# Altium PCB MEOWPOWER.PcbDoc (continued)
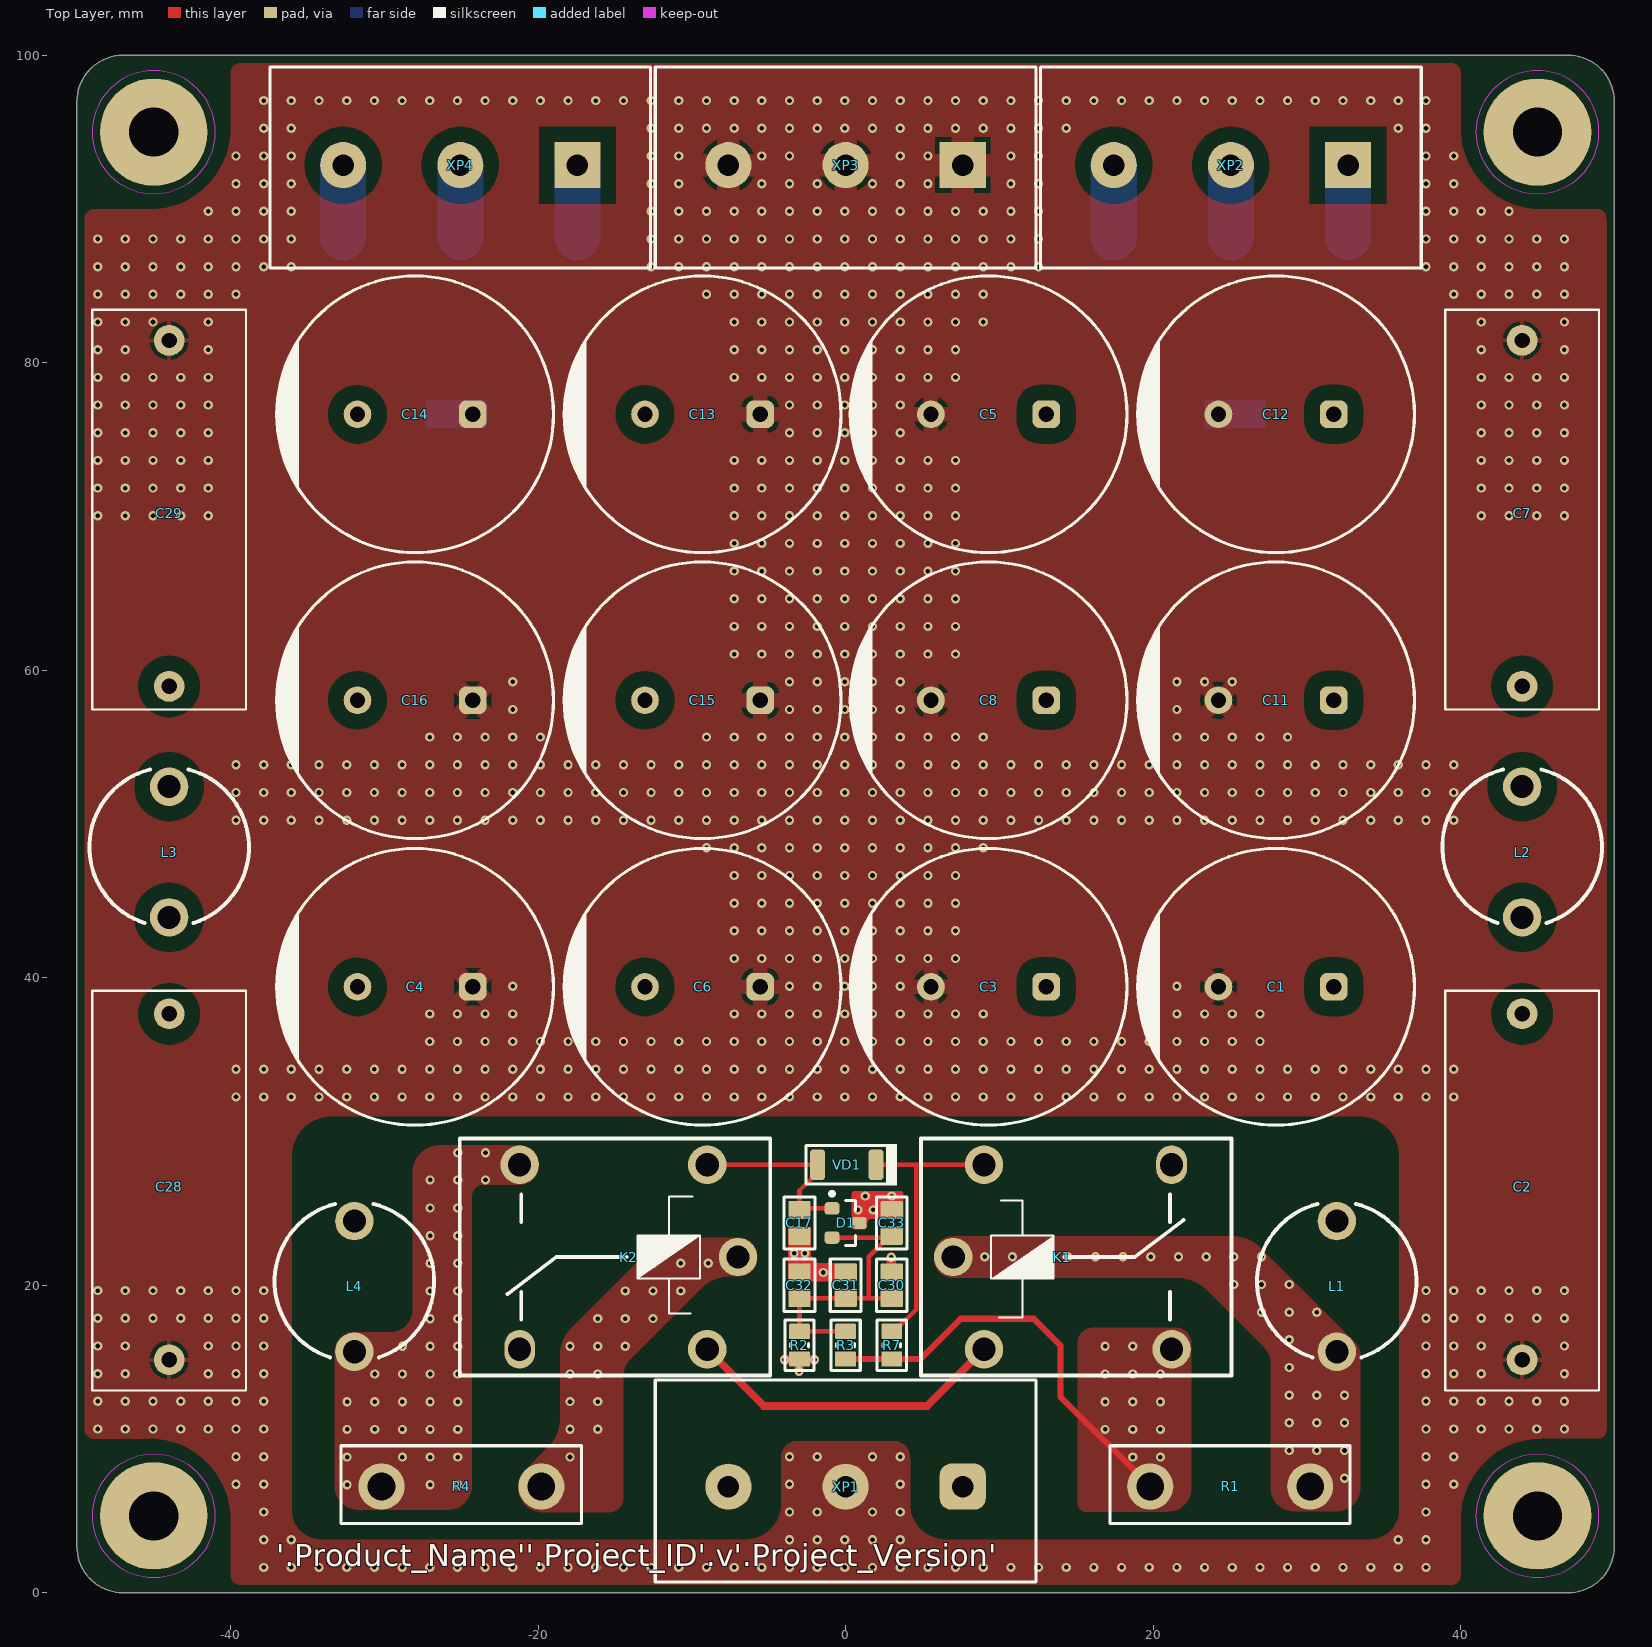
[diagram p0: Top Layer view]
## Nets (pads, with @x,y where several pads share a name; then routed paths per layer and width w, separated by ;. In a path a pad name is that pad's centre, name@x,y a point inside that pad or via, vN(x,y) a via of type N, cw(c..) or ccw(c..) an arc to the next point about the centre after c; other vN are vias at no path point)
+V: K1.4 L1.1 R1.2
  other v1: 32.45,7.45 28.85,9.25 30.65,9.25 32.45,9.25 28.85,11.05 30.65,11.05 32.45,11.05 28.85,12.85 30.65,12.85 32.45,12.85 28.85,14.65 28.85,16.45 27.05,18.25 28.85,18.25 30.65,18.25 25.25,20.05 27.05,20.05 28.85,20.05 9.05,21.85 10.85,21.85 12.65,21.85 14.45,21.85 16.25,21.85 18.05,21.85 19.85,21.85 21.65,21.85 23.45,21.85 25.25,21.85 27.05,21.85
+VIN: F7.2 K1.3 R1.1 R3.2 R7.2 | length 27.4
  Top Layer w0.4: R3.2 R7.2 4.849,15.199 7.475,17.825 12.25,17.825 13.975,16.1 13.975,12.748 R1.1
  other v1: 18.675,8.825 20.475,8.825 16.875,10.625 18.675,10.625 20.475,10.625 16.875,12.425 18.675,12.425 20.475,12.425 16.875,14.225 18.675,14.225 20.475,14.225 16.875,16.025 18.675,16.025
+VOUT: C5.1 C7.2 C8.1 C11.1 C12.1 C18.1 C19.1 C20.1 C21.1 F1.1 F2.1 F3.1 L2.2
-V: K2.3 L4.1 R4.1
  other v1: -32.425,7.025 -27.025,7.025 -25.225,7.025 -32.425,8.825 -28.825,8.825 -27.025,8.825 -25.225,8.825 -32.425,10.625 -30.625,10.625 -28.825,10.625 -27.025,10.625 -25.225,10.625 -32.425,12.425 -30.625,12.425 -28.825,12.425 -27.025,12.425 -25.225,12.425 -30.625,14.225 -28.825,14.225 -27.025,14.225 -25.225,14.225 -28.825,16.025 -27.025,16.025 -25.225,16.025 -27.025,17.825 -25.225,17.825 -27.025,19.625 -25.225,19.625 -27.025,21.425 -25.225,21.425 -27.025,23.225 -25.225,23.225 -27.025,25.025 -25.225,25.025 -27.025,26.85 -25.225,26.85 -23.425,26.85 -25.225,28.625 -23.425,28.625
-VIN: F8.1 K2.4 R4.2
  other v1: -17.928,8.83 -17.928,10.63 -16.128,10.63 -17.928,12.43 -16.128,12.43 -17.928,14.23 -16.128,14.23 -17.928,16.03 -16.128,16.03 -14.328,16.03 -16.128,17.83 -14.328,17.83 -12.528,17.83 -14.328,19.63 -12.528,19.63 -10.728,19.63 -12.528,21.43 -10.728,21.43 -8.928,21.43
-VOUT: C13.2 C14.2 C15.2 C16.2 C24.2 C25.2 C26.2 C27.2 C29.2 F4.1 F5.1 F6.1 L3.2
NetC1_1: C1.1 C2.2 C3.1 C9.2 C10.2 L1.2 L2.1
NetC4_2: C4.2 C6.2 C22.1 C23.1 C28.2 L3.1 L4.2
NetC17_2: C17.2 D1.1 K2.2 VD1.2 | length 12.8
  Top Layer w0.3: K2.2 -1.825,27.835 -1.825,27.335 -3,26.16 C17.2 ; C17.2@-3,25 -0.86,25 D1.1@-0.835,25.025
NetC30_2: C30.2 C31.2 C32.2 C33.2 D1.2 R2.2 R3.1 | length 19.8
  Top Layer w0.3: D1.2 C33.2@2.75,23.099 ; R3.1 R2.2 C32.2 C31.2 1.5,19.15 ; C33.2@2.425,22.773 1.5,21.848 1.5,19.15 ; C33.2@2.425,22.774 C33.2@2.75,23.099 ; C33.2@2.764,23.099 C33.2@2.75,23.099 ; C30.2 1.5,19.15 ; C33.2@3.102,23.451 C33.2@2.75,23.099
NetF1_2: F1.2 XP2.1 | length 4.7
  Bottom Layer w3: F1.2@32.68,88.159 XP2.1
NetF2_2: F2.2 XP2.2 | length 4.7
  Bottom Layer w3: F2.2@25.06,88.159 XP2.2
NetF3_2: F3.2 XP2.3 | length 4.7
  Bottom Layer w3: F3.2@17.44,88.159 XP2.3
NetF4_2: F4.2 XP4.1 | length 4.7
  Bottom Layer w3: F4.2@-17.44,88.159 XP4.1
NetF5_2: F5.2 XP4.2 | length 4.7
  Bottom Layer w3: F5.2@-25.06,88.159 XP4.2
NetF6_2: F6.2 XP4.3 | length 4.7
  Bottom Layer w3: F6.2@-32.68,88.159 XP4.3
NetF7_1: F7.1 XP1.1
NetF8_2: F8.2 XP1.3 | length 0
  Bottom Layer w1: XP1.3@-7.626,6.906 XP1.3
NetK1_1: K1.1 R7.1 VD1.1 | length 18.8
  Top Layer w0.3: VD1.1@2.225,27.835 4.55,27.835 ; R7.1 3.175,16.999 4.6,18.424 4.6,27.785 4.55,27.835 ; K1.1@9,27.835 4.55,27.835
  Top Layer w0.5: VD1.1@1.975,28.125 1.975,28.085 VD1.1@2.225,27.835
NetK1_2: K1.2 K2.1 | length 21.1
  Top Layer w0.5: K2.1 -5.315,12.15 5.315,12.15 K1.2
PGND: C1.2 C2.1 C3.2 C4.1 C5.2 C6.1 C7.1 C8.2 C9.1 C10.1 C11.2 C12.2 C13.1 C14.1 C15.1 C16.1 C17.1 C18.2 C19.2 C20.2 C21.2 C22.2 C23.2 C24.1 C25.1 C26.1 C27.1 C28.1 C29.1 C30.1 C31.1 C32.1 C33.1 D1.3 R2.1 XP1.2 XP3.1 XP3.2 XP3.3 | length 3.6
  Top Layer w0.6: v1(-3.975,15.15) -3.049,15.15 R2.1@-3.026,15.173 ; R2.1@-3.051,15.112 -3.025,15.086 v1(-3.025,14.4) ; R2.1 -2.951,15.15 v1(-2.025,15.15) ; C30.1@2.974,20.876 v1(2.974,21.827)
  other v1: -37.85,1.65 -36.05,1.65 -34.25,1.65 -32.45,1.65 -30.65,1.65 -28.85,1.65 -27.05,1.65 -25.25,1.65 -23.45,1.65 -21.65,1.65 -19.85,1.65 -18.05,1.65 -16.25,1.65 -14.45,1.65 -12.65,1.65 -10.85,1.65 -9.05,1.65 -7.25,1.65 -5.45,1.65 -3.65,1.65 -1.85,1.65 -0.05,1.65 1.75,1.65 3.55,1.65 5.35,1.65 7.15,1.65 8.95,1.65 10.75,1.65 12.55,1.65 14.35,1.65 16.15,1.65 17.95,1.65 19.75,1.65 21.55,1.65 23.35,1.65 25.15,1.65 26.95,1.65 28.75,1.65 30.55,1.65 32.35,1.65 34.15,1.65 35.95,1.65 37.75,1.65 -37.85,3.45 -36.05,3.45 -3.65,3.45 -1.85,3.45 -0.05,3.45 1.75,3.45 3.55,3.45 35.95,3.45 37.75,3.45 -37.85,5.25 -3.65,5.25 -1.85,5.25 1.75,5.25 3.55,5.25 37.75,5.25 -39.65,7.05 -37.85,7.05 -3.65,7.05 3.55,7.05 37.75,7.05 39.55,7.05 -39.65,8.85 -37.85,8.85 -3.65,8.85 -1.85,8.85 1.75,8.85 3.55,8.85 37.75,8.85 39.55,8.85 -48.65,10.65 -46.85,10.65 -45.05,10.65 -43.25,10.65 -41.45,10.65 -39.65,10.65 -37.85,10.65 37.75,10.65 39.55,10.65 41.35,10.65 43.15,10.65 44.95,10.65 46.75,10.65 -48.65,12.45 -46.85,12.45 -45.05,12.45 -43.25,12.45 -41.45,12.45 -39.65,12.45 -37.85,12.45 37.75,12.45 39.55,12.45 41.35,12.45 43.15,12.45 44.95,12.45 46.75,12.45 -48.65,14.25 -46.85,14.25 -41.45,14.25 -39.65,14.25 -37.85,14.25 37.75,14.25 39.55,14.25 41.35,14.25 46.75,14.25 -48.65,16.05 -46.85,16.05 -41.45,16.05 -39.65,16.05 -37.85,16.05 37.75,16.05 39.55,16.05 41.35,16.05 46.75,16.05 -48.65,17.85 -46.85,17.85 -45.05,17.85 -43.25,17.85 -41.45,17.85 -39.65,17.85 -37.85,17.85 37.75,17.85 39.55,17.85 41.35,17.85 43.15,17.85 44.95,17.85 46.75,17.85 -48.65,19.65 -46.85,19.65 -45.05,19.65 -43.25,19.65 -41.45,19.65 -39.65,19.65 -37.85,19.65 37.75,19.65 39.55,19.65 41.35,19.65 43.15,19.65 44.95,19.65 46.75,19.65 -1.45,20.825 -3.35,22.075 -2.65,22.075 0.8,24.9 1.8,24.9 1.275,25.8 3,25.8 -39.65,32.25 -37.85,32.25 -36.05,32.25 -34.25,32.25 -32.45,32.25 -30.65,32.25 -28.85,32.25 -27.05,32.25 -25.25,32.25 -23.45,32.25 -21.65,32.25 -19.85,32.25 -18.05,32.25 -16.25,32.25 -14.45,32.25 -12.65,32.25 -10.85,32.25 -9.05,32.25 -7.25,32.25 -5.45,32.25 -3.65,32.25 -1.85,32.25 -0.05,32.25 1.75,32.25 3.55,32.25 5.35,32.25 7.15,32.25 8.95,32.25 10.75,32.25 12.55,32.25 14.35,32.25 16.15,32.25 17.95,32.25 19.75,32.25 21.55,32.25 23.35,32.25 25.15,32.25 26.95,32.25 28.75,32.25 30.55,32.25 32.35,32.25 34.15,32.25 35.95,32.25 37.75,32.25 39.55,32.25 -39.65,34.05 -37.85,34.05 -36.05,34.05 -34.25,34.05 -32.45,34.05 -30.65,34.05 -28.85,34.05 -27.05,34.05 -25.25,34.05 -23.45,34.05 -21.65,34.05 -19.85,34.05 -18.05,34.05 -16.25,34.05 -14.45,34.05 -12.65,34.05 -10.85,34.05 -9.05,34.05 -7.25,34.05 -5.45,34.05 -3.65,34.05 -1.85,34.05 -0.05,34.05 1.75,34.05 3.55,34.05 5.35,34.05 7.15,34.05 8.95,34.05 10.75,34.05 12.55,34.05 14.35,34.05 16.15,34.05 17.95,34.05 19.75,34.05 21.55,34.05 23.35,34.05 25.15,34.05 26.95,34.05 28.75,34.05 30.55,34.05 32.35,34.05 34.15,34.05 35.95,34.05 37.75,34.05 39.55,34.05 -27.05,35.85 -25.25,35.85 -23.45,35.85 -21.65,35.85 -19.85,35.85 -18.05,35.85 -16.25,35.85 -14.45,35.85 -12.65,35.85 -10.85,35.85 -9.05,35.85 -7.25,35.85 -5.45,35.85 -3.65,35.85 -1.85,35.85 -0.05,35.85 1.75,35.85 3.55,35.85 5.35,35.85 7.15,35.85 8.95,35.85 10.75,35.85 12.55,35.85 14.35,35.85 16.15,35.85 17.95,35.85 19.75,35.85 21.55,35.85 23.35,35.85 25.15,35.85 26.95,35.85 -27.05,37.65 -25.25,37.65 -23.45,37.65 -21.65,37.65 -7.25,37.65 -5.45,37.65 -3.65,37.65 -1.85,37.65 -0.05,37.65 1.75,37.65 3.55,37.65 5.35,37.65 7.15,37.65 8.95,37.65 21.55,37.65 23.35,37.65 25.15,37.65 26.95,37.65 -21.65,39.45 -3.65,39.45 -1.85,39.45 -0.05,39.45 1.75,39.45 3.55,39.45 21.55,39.45 -7.25,41.25 -5.45,41.25 -3.65,41.25 -1.85,41.25 -0.05,41.25 1.75,41.25 3.55,41.25 5.35,41.25 7.15,41.25 -7.25,43.05 -5.45,43.05 -3.65,43.05 -1.85,43.05 -0.05,43.05 1.75,43.05 3.55,43.05 5.35,43.05 7.15,43.05 -7.25,44.85 -5.45,44.85 -3.65,44.85 -1.85,44.85 -0.05,44.85 1.75,44.85 3.55,44.85 5.35,44.85 7.15,44.85 -7.25,46.65 -5.45,46.65 -3.65,46.65 -1.85,46.65 -0.05,46.65 1.75,46.65 3.55,46.65 5.35,46.65 7.15,46.65 -9.05,48.45 -7.25,48.45 -5.45,48.45 -3.65,48.45 -1.85,48.45 -0.05,48.45 1.75,48.45 3.55,48.45 5.35,48.45 7.15,48.45 8.95,48.45 -39.65,50.25 -37.85,50.25 -36.05,50.25 -34.25,50.25 -32.45,50.25 -30.65,50.25 -28.85,50.25 -27.05,50.25 -25.25,50.25 -23.45,50.25 -21.65,50.25 -19.85,50.25 -18.05,50.25 -16.25,50.25 -14.45,50.25 -12.65,50.25 -10.85,50.25 -9.05,50.25 -7.25,50.25 -5.45,50.25 -3.65,50.25 -1.85,50.25 -0.05,50.25 1.75,50.25 3.55,50.25 5.35,50.25 7.15,50.25 8.95,50.25 10.75,50.25 12.55,50.25 14.35,50.25 16.15,50.25 17.95,50.25 19.75,50.25 21.55,50.25 23.35,50.25 25.15,50.25 26.95,50.25 28.75,50.25 30.55,50.25 32.35,50.25 34.15,50.25 35.95,50.25 37.75,50.25 39.55,50.25 -39.65,52.05 -37.85,52.05 -36.05,52.05 -34.25,52.05 -32.45,52.05 -30.65,52.05 -28.85,52.05 -27.05,52.05 -25.25,52.05 -23.45,52.05 -21.65,52.05 -19.85,52.05 -18.05,52.05 -16.25,52.05 -14.45,52.05 -12.65,52.05 -10.85,52.05 -9.05,52.05 -7.25,52.05 -5.45,52.05 -3.65,52.05 -1.85,52.05 -0.05,52.05 1.75,52.05 3.55,52.05 5.35,52.05 7.15,52.05 8.95,52.05 10.75,52.05 12.55,52.05 14.35,52.05 16.15,52.05 17.95,52.05 19.75,52.05 21.55,52.05 23.35,52.05 25.15,52.05 26.95,52.05 28.75,52.05 30.55,52.05 32.35,52.05 34.15,52.05 35.95,52.05 37.75,52.05 39.55,52.05 -39.65,53.85 -37.85,53.85 -36.05,53.85 -34.25,53.85 -32.45,53.85 -30.65,53.85 -28.85,53.85 -27.05,53.85 -25.25,53.85 -23.45,53.85 -21.65,53.85 -19.85,53.85 -18.05,53.85 -16.25,53.85 -14.45,53.85 -12.65,53.85 -10.85,53.85 -9.05,53.85 -7.25,53.85 -5.45,53.85 -3.65,53.85 -1.85,53.85 -0.05,53.85 1.75,53.85 3.55,53.85 5.35,53.85 7.15,53.85 8.95,53.85 10.75,53.85 12.55,53.85 14.35,53.85 16.15,53.85 17.95,53.85 19.75,53.85 21.55,53.85 23.35,53.85 25.15,53.85 26.95,53.85 28.75,53.85 30.55,53.85 32.35,53.85 34.15,53.85 35.95,53.85 37.75,53.85 39.55,53.85 -27.05,55.65 -25.25,55.65 -23.45,55.65 -21.65,55.65 -19.85,55.65 -9.05,55.65 -7.25,55.65 -5.45,55.65 -3.65,55.65 -1.85,55.65 -0.05,55.65 1.75,55.65 3.55,55.65 5.35,55.65 7.15,55.65 8.95,55.65 19.75,55.65 21.55,55.65 23.35,55.65 25.15,55.65 26.95,55.65 28.75,55.65 -21.65,57.45 -3.65,57.45 -1.85,57.45 -0.05,57.45 1.75,57.45 3.55,57.45 21.55,57.45 -21.65,59.25 -3.65,59.25 -1.85,59.25 -0.05,59.25 1.75,59.25 3.55,59.25 21.55,59.25 23.35,59.25 25.15,59.25 -7.25,61.05 -5.45,61.05 -3.65,61.05 -1.85,61.05 -0.05,61.05 1.75,61.05 3.55,61.05 5.35,61.05 7.15,61.05 -7.25,62.85 -5.45,62.85 -3.65,62.85 -1.85,62.85 -0.05,62.85 1.75,62.85 3.55,62.85 5.35,62.85 7.15,62.85 -7.25,64.65 -5.45,64.65 -3.65,64.65 -1.85,64.65 -0.05,64.65 1.75,64.65 3.55,64.65 5.35,64.65 7.15,64.65 -7.25,66.45 -5.45,66.45 -3.65,66.45 -1.85,66.45 -0.05,66.45 1.75,66.45 3.55,66.45 5.35,66.45 7.15,66.45 -7.25,68.25 -5.45,68.25 -3.65,68.25 -1.85,68.25 -0.05,68.25 1.75,68.25 3.55,68.25 5.35,68.25 7.15,68.25 -48.65,70.05 -46.85,70.05 -45.05,70.05 -43.25,70.05 -41.45,70.05 -7.25,70.05 -5.45,70.05 -3.65,70.05 -1.85,70.05 -0.05,70.05 1.75,70.05 3.55,70.05 5.35,70.05 7.15,70.05 41.35,70.05 43.15,70.05 44.95,70.05 46.75,70.05 -48.65,71.85 -46.85,71.85 -45.05,71.85 -43.25,71.85 -41.45,71.85 -7.25,71.85 -5.45,71.85 -3.65,71.85 -1.85,71.85 -0.05,71.85 1.75,71.85 3.55,71.85 5.35,71.85 7.15,71.85 41.35,71.85 43.15,71.85 44.95,71.85 46.75,71.85 -48.65,73.65 -46.85,73.65 -45.05,73.65 -43.25,73.65 -41.45,73.65 -7.25,73.65 -5.45,73.65 -3.65,73.65 -1.85,73.65 -0.05,73.65 1.75,73.65 3.55,73.65 5.35,73.65 7.15,73.65 41.35,73.65 43.15,73.65 44.95,73.65 46.75,73.65 -48.65,75.45 -46.85,75.45 -45.05,75.45 -43.25,75.45 -41.45,75.45 -3.65,75.45 -1.85,75.45 -0.05,75.45 1.75,75.45 3.55,75.45 41.35,75.45 43.15,75.45 44.95,75.45 46.75,75.45 -48.65,77.25 -46.85,77.25 -45.05,77.25 -43.25,77.25 -41.45,77.25 -3.65,77.25 -1.85,77.25 -0.05,77.25 1.75,77.25 3.55,77.25 41.35,77.25 43.15,77.25 44.95,77.25 46.75,77.25 -48.65,79.05 -46.85,79.05 -45.05,79.05 -43.25,79.05 -41.45,79.05 -7.25,79.05 -5.45,79.05 -3.65,79.05 -1.85,79.05 -0.05,79.05 1.75,79.05 3.55,79.05 5.35,79.05 7.15,79.05 41.35,79.05 43.15,79.05 44.95,79.05 46.75,79.05 -48.65,80.85 -46.85,80.85 -41.45,80.85 -7.25,80.85 -5.45,80.85 -3.65,80.85 -1.85,80.85 -0.05,80.85 1.75,80.85 3.55,80.85 5.35,80.85 7.15,80.85 41.35,80.85 46.75,80.85 -48.65,82.65 -46.85,82.65 -45.05,82.65 -41.45,82.65 -7.25,82.65 -5.45,82.65 -3.65,82.65 -1.85,82.65 -0.05,82.65 1.75,82.65 3.55,82.65 5.35,82.65 7.15,82.65 8.95,82.65 41.35,82.65 46.75,82.65 -48.65,84.45 -46.85,84.45 -45.05,84.45 -43.25,84.45 -41.45,84.45 -39.65,84.45 -9.05,84.45 -7.25,84.45 -5.45,84.45 -3.65,84.45 -1.85,84.45 -0.05,84.45 1.75,84.45 3.55,84.45 5.35,84.45 7.15,84.45 8.95,84.45 39.55,84.45 41.35,84.45 43.15,84.45 44.95,84.45 46.75,84.45 -48.65,86.25 -46.85,86.25 -45.05,86.25 -43.25,86.25 -41.45,86.25 -39.65,86.25 -37.85,86.25 -36.05,86.25 -12.65,86.25 -10.85,86.25 -9.05,86.25 -7.25,86.25 -5.45,86.25 -3.65,86.25 -1.85,86.25 -0.05,86.25 1.75,86.25 3.55,86.25 5.35,86.25 7.15,86.25 8.95,86.25 10.75,86.25 12.55,86.25 37.75,86.25 39.55,86.25 41.35,86.25 43.15,86.25 44.95,86.25 46.75,86.25 -48.65,88.05 -46.85,88.05 -45.05,88.05 -43.25,88.05 -41.45,88.05 -39.65,88.05 -37.85,88.05 -36.05,88.05 -12.65,88.05 -10.85,88.05 -9.05,88.05 -7.25,88.05 -5.45,88.05 -3.65,88.05 -1.85,88.05 -0.05,88.05 1.75,88.05 3.55,88.05 5.35,88.05 7.15,88.05 8.95,88.05 10.75,88.05 12.55,88.05 37.75,88.05 39.55,88.05 41.35,88.05 43.15,88.05 44.95,88.05 46.75,88.05 -41.45,89.85 -39.65,89.85 -37.85,89.85 -36.05,89.85 -12.65,89.85 -10.85,89.85 -9.05,89.85 -7.25,89.85 -5.45,89.85 -3.65,89.85 -1.85,89.85 -0.05,89.85 1.75,89.85 3.55,89.85 5.35,89.85 7.15,89.85 8.95,89.85 10.75,89.85 12.55,89.85 37.75,89.85 39.55,89.85 41.35,89.85 43.15,89.85 -39.65,91.65 -37.85,91.65 -36.05,91.65 -12.65,91.65 -10.85,91.65 -5.45,91.65 -3.65,91.65 -1.85,91.65 1.75,91.65 3.55,91.65 5.35,91.65 10.75,91.65 12.55,91.65 37.75,91.65 39.55,91.65 -39.65,93.45 -37.85,93.45 -36.05,93.45 -12.65,93.45 -10.85,93.45 -5.45,93.45 -3.65,93.45 3.55,93.45 5.35,93.45 10.75,93.45 12.55,93.45 37.75,93.45 39.55,93.45 -37.85,95.25 -36.05,95.25 -12.65,95.25 -10.85,95.25 -9.05,95.25 -7.25,95.25 -5.45,95.25 -3.65,95.25 -1.85,95.25 -0.05,95.25 1.75,95.25 3.55,95.25 5.35,95.25 7.15,95.25 8.95,95.25 10.75,95.25 12.55,95.25 14.35,95.25 35.95,95.25 37.75,95.25 -37.85,97.05 -36.05,97.05 -34.25,97.05 -32.45,97.05 -30.65,97.05 -28.85,97.05 -27.05,97.05 -25.25,97.05 -23.45,97.05 -21.65,97.05 -19.85,97.05 -18.05,97.05 -16.25,97.05 -14.45,97.05 -12.65,97.05 -10.85,97.05 -9.05,97.05 -7.25,97.05 -5.45,97.05 -3.65,97.05 -1.85,97.05 -0.05,97.05 1.75,97.05 3.55,97.05 5.35,97.05 7.15,97.05 8.95,97.05 10.75,97.05 12.55,97.05 14.35,97.05 16.15,97.05 17.95,97.05 19.75,97.05 21.55,97.05 23.35,97.05 25.15,97.05 26.95,97.05 28.75,97.05 30.55,97.05 32.35,97.05 34.15,97.05 35.95,97.05 37.75,97.05
pads on no net: K1.5 K2.5

## Polygon pours and split planes (outlines as drawn)
NetF7_1 on Bottom Layer "NONET_L-01_P-001" (solid, remove dead copper, pour order 55): 12.027,5.275 ccw(c12.027,5.75) 12.502,5.75 12.502,8.125 ccw(c12.027,8.125) 12.027,8.6 6.727,8.6 ccw(c6.727,8) 6.127,8 6.127,5.75 ccw(c6.602,5.75) 6.602,5.275
-V on Bottom Layer "NONET_L-01_P-001" (solid, remove dead copper, pour order 54): -31.7,5.4 cw(c-31.7,6.925) -33.225,6.925 -33.225,15.7 cw(c-31.975,15.7) -31.975,16.95 -29.6,16.95 ccw(c-29.6,18.4) -28.15,18.4 -28.15,27.35 cw(c-26.4,27.35) -26.4,29.1 -21.15,29.1 cw(c-21.15,27.925) -19.975,27.925 -19.975,27.725 cw(c-21.15,27.725) -21.15,26.55 -23.525,26.55 ccw(c-23.525,25.75) -24.325,25.75 -24.325,6.925 cw(c-25.85,6.925) -25.85,5.4 -29.75,5.4
PGND on Bottom Layer "NONET_L-01_P-001" (solid, remove dead copper, pour order 47): -50,100 -50,-0.025 -35.5,-0.025 -35.5,0.3 -4.775,0.3 4.8,0 35.958,0 50,0 50,100
-VIN on Bottom Layer "NONET_L-01_P-001" (solid, remove dead copper, pour order 53): -14.475,6.125 -14.475,14.124 cw(c-13.024,14.124) -14.05,15.15 -9.369,19.831 cw(c-7.573,18.035) -7.573,20.575 -6.95,20.575 ccw(c-6.95,21.775) -5.75,21.775 -5.75,21.85 ccw(c-7,21.85) -7,23.1 -10.739,23.1 ccw(c-10.739,20.176) -12.807,22.243 -17.806,17.244 ccw(c-16.01,15.448) -18.55,15.448 -18.55,11.4 cw(c-21.124,11.341) -19.263,9.562 -20.875,7.95 ccw(c-19.868,6.967) -21.275,6.95 -21.275,6.8 ccw(c-19.7,6.8) -19.7,5.225 -15.375,5.225 ccw(c-15.375,6.125)
+VIN on Bottom Layer "NONET_L-01_P-001" (solid, remove dead copper, pour order 51): 22.475,6.775 cw(c20.975,6.775) 20.975,5.275 15.625,5.275 cw(c15.625,5.8) 15.1,5.8 15.1,8.15 15.1,16.25 cw(c16.075,16.25) 16.075,17.225 21.5,17.225 cw(c21.5,16.25) 22.475,16.25
+V on Bottom Layer "NONET_L-01_P-001" (solid, remove dead copper, pour order 52): 7,23.2 25.148,23.2 cw(c25.148,20.66) 26.944,22.456 33.174,16.226 cw(c32.449,15.5) 33.475,15.5 33.475,6.825 cw(c31.95,6.825) 31.95,5.3 29.175,5.3 cw(c29.175,6.825) 27.65,6.825 27.65,14.959 ccw(c26.285,14.959) 27.25,15.925 23.444,19.731 ccw(c21.648,17.935) 21.648,20.475 7,20.475 cw(c7,21.725) 5.75,21.725 5.75,21.95 cw(c7,21.95)
NetF8_2 on Bottom Layer "NONET_L-01_P-001" (solid, remove dead copper, pour order 41): -12.025,5.275 cw(c-12.025,5.75) -12.5,5.75 -12.5,8.125 cw(c-12.025,8.125) -12.025,8.6 -7.325,8.6 cw(c-7.325,7.4) -6.125,7.4 -6.125,6.475 cw(c-7.325,6.475) -7.325,5.275
NetC1_1 on Bottom Layer "NONET_L-01_P-001" (solid, remove dead copper, pour order 35): 30.575,24.9 cw(c32.075,24.9) 32.075,26.4 39.35,26.4 ccw(c39.35,28.725) 41.675,28.725 41.675,35.2 ccw(c40.75,35.2) 40.75,36.125 29.385,36.125 cw(c29.385,36.91) 28.6,36.91 28.6,41.15 ccw(c27.725,41.15) 27.725,42.025 20.775,42.025 ccw(c20.775,40.875) 19.625,40.875 19.625,39.575 cw(c18.375,39.575) 18.375,38.325 10.325,38.325 cw(c10.325,38.65) 10,38.65 10,46.875 cw(c11.3,46.875) 11.3,48.175 44.775,48.175 cw(c44.775,46.8) 46.15,46.8 46.15,44 cw(c44.775,44) 44.775,42.625 37.05,42.625 ccw(c37.05,41.775) 36.2,41.775 ccw(c37.05,41.775) 37.05,40.925 44.725,40.925 cw(c44.725,39.5) 46.15,39.5 46.15,24.44 cw(c43.61,24.44) 43.61,21.9 32.125,21.9 cw(c32.125,23.45) 30.575,23.45
+VOUT on Bottom Layer "NONET_L-01_P-001" (solid, remove dead copper, pour order 34): 10,81.26 cw(c12.54,81.26) 12.54,83.8 36.75,83.8 cw(c36.75,81.65) 38.9,81.65 38.9,69.79 ccw(c41.44,69.79) 41.44,67.25 43.71,67.25 cw(c43.71,64.71) 46.25,64.71 46.25,52.55 cw(c44.75,52.55) 44.75,51.05 43.275,51.05 cw(c43.276,52.551) 41.775,52.55 41.775,55.65 ccw(c40.475,55.65) 40.475,56.95 28.975,56.95 cw(c29.025,57.35) 28.625,57.4 28.625,59.775 ccw(c27.713,59.775) 27.713,60.687 20.75,60.687 ccw(c20.75,59.538) 19.6,59.537 19.6,58.05 cw(c18.256,58.294) 18.5,56.95 10.275,56.95 cw(c10.389,57.339) 10,57.225
NetC4_2 on Bottom Layer "NONET_L-01_P-001" (solid, remove dead copper, pour order 32): -30.575,24.9 ccw(c-32.075,24.9) -32.075,26.4 -39.35,26.4 cw(c-39.35,28.725) -41.675,28.725 -41.675,35.2 cw(c-40.75,35.2) -40.75,36.125 -29.385,36.125 ccw(c-29.385,36.91) -28.6,36.91 -28.6,41.15 cw(c-27.725,41.15) -27.725,42.025 -20.775,42.025 cw(c-20.775,40.875) -19.625,40.875 -19.625,39.575 ccw(c-18.375,39.575) -18.375,38.325 -10.325,38.325 ccw(c-10.325,38.65) -10,38.65 -10,46.875 ccw(c-11.3,46.875) -11.3,48.175 -44.775,48.175 ccw(c-44.775,46.8) -46.15,46.8 -46.15,44 ccw(c-44.775,44) -44.775,42.625 -37.05,42.625 cw(c-37.05,41.775) -36.2,41.775 cw(c-37.05,41.775) -37.05,40.925 -44.725,40.925 ccw(c-44.725,39.5) -46.15,39.5 -46.15,24.44 ccw(c-43.61,24.44) -43.61,21.9 -32.125,21.9 ccw(c-32.125,23.45) -30.575,23.45
-VOUT on Bottom Layer "NONET_L-01_P-001" (solid, remove dead copper, pour order 24): -10,81.26 ccw(c-12.54,81.26) -12.54,83.8 -36.75,83.8 ccw(c-36.75,81.65) -38.9,81.65 -38.9,69.79 cw(c-41.44,69.79) -41.44,67.25 -43.71,67.25 ccw(c-43.71,64.71) -46.25,64.71 -46.25,52.55 ccw(c-44.75,52.55) -44.75,51.05 -43.275,51.05 ccw(c-43.276,52.551) -41.775,52.55 -41.775,55.65 cw(c-40.475,55.65) -40.475,56.95 -28.975,56.95 ccw(c-29.025,57.35) -28.625,57.4 -28.625,59.775 cw(c-27.713,59.775) -27.713,60.687 -20.75,60.687 cw(c-20.75,59.538) -19.6,59.537 -19.6,58.05 ccw(c-18.256,58.294) -18.5,56.95 -10.275,56.95 ccw(c-10.389,57.339) -10,57.225
PGND on Top Layer "NONET_L-01_P-001" (solid, remove dead copper, pour order 48): -50,100 -50,-0.025 33.3,-0.025 33.275,-0.025 33.3,0 50,0 50,100
-V on Top Layer "NONET_L-01_P-001" (solid, remove dead copper, pour order 33): -31.7,5.4 cw(c-31.7,6.925) -33.225,6.925 -33.225,15.7 cw(c-31.975,15.7) -31.975,16.95 -29.6,16.95 ccw(c-29.6,18.4) -28.15,18.4 -28.15,27.35 cw(c-26.4,27.35) -26.4,29.1 -21.15,29.1 cw(c-21.15,27.925) -19.975,27.925 -19.975,27.725 cw(c-21.15,27.725) -21.15,26.55 -23.525,26.55 ccw(c-23.525,25.75) -24.325,25.75 -24.325,6.925 cw(c-25.85,6.925) -25.85,5.4 -29.75,5.4
-VIN on Top Layer "NONET_L-01_P-001" (solid, remove dead copper, pour order 50): -14.475,6.125 -14.475,14.124 cw(c-13.024,14.124) -14.05,15.15 -9.369,19.831 cw(c-7.573,18.035) -7.573,20.575 -6.95,20.575 ccw(c-6.95,21.775) -5.75,21.775 -5.75,21.85 ccw(c-7,21.85) -7,23.1 -10.824,23.1 ccw(c-10.824,20.382) -12.746,22.304 -17.806,17.244 ccw(c-16.01,15.448) -18.55,15.448 -18.55,11.4 cw(c-21.124,11.341) -19.263,9.562 -20.875,7.95 ccw(c-19.868,6.967) -21.275,6.95 -21.275,6.8 ccw(c-19.7,6.8) -19.7,5.225 -15.375,5.225 ccw(c-15.375,6.125)
+VIN on Top Layer "NONET_L-01_P-001" (solid, remove dead copper, pour order 43): 22.475,6.775 cw(c20.975,6.775) 20.975,5.275 15.625,5.275 cw(c15.625,5.8) 15.1,5.8 15.1,8.15 15.1,16.25 cw(c16.075,16.25) 16.075,17.225 21.5,17.225 cw(c21.5,16.25) 22.475,16.25
+V on Top Layer "NONET_L-01_P-001" (solid, remove dead copper, pour order 44): 7,23.2 25.148,23.2 cw(c25.148,20.66) 26.944,22.456 33.174,16.226 cw(c32.449,15.5) 33.475,15.5 33.475,6.825 cw(c31.95,6.825) 31.95,5.3 29.175,5.3 cw(c29.175,6.825) 27.65,6.825 27.65,14.959 ccw(c26.285,14.959) 27.25,15.925 23.444,19.731 ccw(c21.648,17.935) 21.648,20.475 7,20.475 cw(c7,21.725) 5.75,21.725 5.75,21.95 cw(c7,21.95)

## Keep-outs
Top Layer:
  circle w0.01: c-45,5 r4
  circle w0.01: c45,5 r4
  circle w0.01: c-45,95 r4
  circle w0.01: c45,95 r4
Bottom Layer:
  circle w0.01: c-45,95 r4
  circle w0.01: c45,95 r4
  circle w0.01: c45,5 r4
  circle w0.01: c-45,5 r4

## Other copper
Top Layer:
  pour cut-out: -36,28.375 cw(c-33.425,28.375) -33.425,30.95 33.442,30.95 33.439,29.676 -34.1,29.5 -34.1,4.883 -5.25,4.883 -5.25,29.676 5.632,29.676 5.632,4.883 34.075,4.883 34.075,23.66 34.075,28.228 33.435,28.228 33.435,30.95 cw(c33.435,28.411) 35.975,28.41 35.975,5.375 cw(c34.075,5.375) 34.075,3.475 6.525,3.475 cw(c6.525,5.775) 4.225,5.775 4.225,8.775 ccw(c3.1,8.775) 3.1,9.9 -3.1,9.9 ccw(c-3.1,8.775) -4.225,8.775 -4.225,5.775 cw(c-6.525,5.775) -6.525,3.475 -34.1,3.475 cw(c-34.1,5.375) -36,5.375
  region net PGND: 1.7,24.325 ccw(c1.7,24) 1.375,24 1.375,23.85 cw(c1.175,23.85) 1.175,23.65 0.6,23.65 cw(c0.6,23.85) 0.4,23.85 0.4,25.925 cw(c0.6,25.925) 0.6,26.125 3.55,26.125 cw(c3.55,25.925) 3.75,25.925 3.75,24.425 cw(c3.65,24.425) 3.65,24.325
  region net PGND: -2.276,23.38 -2.276,22.051 ccw(c-1.65,22.051) -1.65,21.425 0.625,21.425 cw(c0.625,21.325) 0.725,21.325 0.725,20.375 cw(c0.625,20.375) 0.625,20.275 -3.65,20.275 cw(c-3.65,20.35) -3.725,20.35 -3.725,23.675 cw(c-3.625,23.675) -3.625,23.775 -2.375,23.775 cw(c-2.375,23.675) -2.275,23.675
  pour cut-out: -38.5,99.5 -39.4,99.5 ccw(c-39.4,98.9) -40,98.9 -40,95.25 cw(c-45.264,95.25) -45.264,89.986 -48.934,89.986 ccw(c-48.934,89.431) -49.489,89.431 -49.489,89.373 -50,89.373 -50,100.025 -38.475,100.025
  pour cut-out: 38.5,99.5 39.4,99.5 cw(c39.4,98.9) 40,98.9 40,95.25 ccw(c45.264,95.25) 45.264,89.986 48.934,89.986 cw(c48.934,89.431) 49.489,89.431 49.489,89.373 50,89.373 50,100.025 38.475,100.025
  pour cut-out: 38.5,0.5 39.4,0.5 ccw(c39.4,1.1) 40,1.1 40,4.75 cw(c45.264,4.75) 45.264,10.014 48.934,10.014 ccw(c48.934,10.569) 49.489,10.569 49.489,10.627 50,10.627 50,-0.025 38.475,-0.025
  pour cut-out: -38.5,0.5 -39.4,0.5 cw(c-39.4,1.1) -40,1.1 -40,4.75 ccw(c-45.264,4.75) -45.264,10.014 -48.934,10.014 cw(c-48.934,10.569) -49.489,10.569 -49.489,10.627 -50,10.627 -50,-0.025 -38.475,-0.025
Bottom Layer:
  pour cut-out: -32.65,95.412 -15.087,95.412 cw(c-15.087,94.975) -14.65,94.975 -14.65,85.825 ccw(c-13.625,85.825) -13.625,84.8 -13.625,84.7 cw(c-13.7,84.7) -13.7,84.625 -36.875,84.625 -36.875,84.8 -36.4,84.8 ccw(c-36.4,85.825) -35.375,85.825 -35.375,92.687 cw(c-32.651,92.687)
  pour cut-out: -38.5,0.5 -39.4,0.5 cw(c-39.4,1.1) -40,1.1 -40,4.75 ccw(c-45.264,4.75) -45.264,10.014 -48.934,10.014 cw(c-48.934,10.569) -49.489,10.569 -49.489,10.627 -50,10.627 -50,-0.025 -38.475,-0.025
  pour cut-out: 38.5,0.5 39.4,0.5 ccw(c39.4,1.1) 40,1.1 40,4.75 cw(c45.264,4.75) 45.264,10.014 48.934,10.014 ccw(c48.934,10.569) 49.489,10.569 49.489,10.627 50,10.627 50,-0.025 38.475,-0.025
  pour cut-out: 38.5,99.5 39.4,99.5 cw(c39.4,98.9) 40,98.9 40,95.25 ccw(c45.264,95.25) 45.264,89.986 48.934,89.986 cw(c48.934,89.431) 49.489,89.431 49.489,89.373 50,89.373 50,100.025 38.475,100.025
  pour cut-out: -38.5,99.5 -39.4,99.5 ccw(c-39.4,98.9) -40,98.9 -40,95.25 cw(c-45.264,95.25) -45.264,89.986 -48.934,89.986 ccw(c-48.934,89.431) -49.489,89.431 -49.489,89.373 -50,89.373 -50,100.025 -38.475,100.025
  pour cut-out: 4.275,21.8 4.275,29.525 cw(c5.725,29.525) 5.725,30.975 39.75,30.975 ccw(c39.75,31.875) 40.65,31.875 40.65,34.195 ccw(c39.725,34.195) 39.725,35.12 39.725,35.6 cw(c39.775,35.6) 39.775,35.65 41.175,35.6 41.175,28.125 5.725,28.125 5.725,4.889 34.025,4.889 34.025,21.538 41.725,21.538 41.725,20.9 37.95,20.9 ccw(c37.95,18.95) 36,18.95 36,5.45 cw(c34.025,5.45) 34.025,3.475 6.525,3.475 cw(c6.525,5.775) 4.225,5.775
  pour cut-out: 17.47,95.412 35.033,95.412 cw(c35.033,94.975) 35.47,94.975 35.47,85.825 ccw(c36.495,85.825) 36.495,84.8 36.495,84.7 cw(c36.42,84.7) 36.42,84.625 13.245,84.625 13.245,84.8 13.72,84.8 ccw(c13.72,85.825) 14.745,85.825 14.745,92.687 cw(c17.47,92.687)
  pour cut-out: -4.275,21.8 -4.275,29.525 ccw(c-5.725,29.525) -5.725,30.975 -39.75,30.975 cw(c-39.75,31.875) -40.65,31.875 -40.65,34.195 cw(c-39.725,34.195) -39.725,35.12 -39.725,35.6 ccw(c-39.775,35.6) -39.775,35.65 -41.175,35.6 -41.175,29.525 -5.725,29.525 -5.725,4.889 -34.025,4.889 -34.025,21.538 -41.725,21.538 -41.725,20.9 -37.95,20.9 cw(c-37.95,18.95) -36,18.95 -36,5.45 ccw(c-34.025,5.45) -34.025,3.475 -6.525,3.475 ccw(c-6.525,5.775) -4.225,5.775
  pour cut-out: -40.775,54.425 -40.775,49.65 ccw(c-40.3,49.65) -40.3,49.175 -40.3,48.925 -46.425,48.925 -46.425,21.647 -43.5,21.647 -43.5,20.895 -50,20.925 -50,68.266 -42.395,68.266 -42.395,67.775 -46.925,67.775 -46.925,50.95 -41.575,50.95 -41.575,54.425
  pour cut-out: 40.775,54.425 40.775,49.65 cw(c40.3,49.65) 40.3,49.175 40.3,48.925 46.425,48.925 46.425,21.647 43.5,21.647 43.5,20.895 50,20.925 50,68.266 42.395,68.266 42.395,67.775 46.925,67.775 46.925,50.95 41.575,50.95 41.575,54.425
  region net PGND: 23.45,75.746 cw(c23.45,75.846) 23.35,75.846 23.35,77.421 cw(c23.475,77.421) 23.475,77.546 27.2,77.546 cw(c27.2,77.446) 27.3,77.446 27.3,75.846 cw(c27.2,75.846) 27.2,75.746
  region net PGND: -23.45,75.746 ccw(c-23.45,75.846) -23.35,75.846 -23.35,77.421 ccw(c-23.475,77.421) -23.475,77.546 -27.2,77.546 ccw(c-27.2,77.446) -27.3,77.446 -27.3,75.846 ccw(c-27.2,75.846) -27.2,75.746

## Silkscreen, mask and mechanical layers (free items; w line width, h text height)
Top Overlay:
  text "'.Product_Name''.Project_ID'.v'.Project_Version'" at -37.02,1.221 h2.5
Bottom Overlay:
  drawing of 5 lines, arcs and shapes, not listed
  text "'.Product_Name''.Project_ID'.v'.Project_Version'" at -14.78,1.196 h2.5
Bottom Solder:
  lines w1: -24.475,58.175 -20.125,53.825 20.027,53.825 24.25,58.048 ; -24.164,39.318 -20.671,35.825 20.664,35.825 24.25,39.411 ; -5.55,58.048 5.55,58.048 ; -5.55,76.648 5.55,76.648 ; -0.364,39.411 -5.55,39.411 5.55,39.411
  lines w1.5: -32.68,87.965 -32.68,92.857 ; -31.925,15.7 -31.787,15.562 -27.688,15.562 -26.2,17.05 -26.2,26.325 -24.825,27.7 -21.4,27.7 ; -31.75,74.825 -31.75,76.648 ; -31.746,79.925 -29.034,79.925 -25.859,83.1 -24.235,83.1 -17.725,76.59 ; -25.06,87.71 -25.06,92.857 ; -24.343,39.318 -24.164,39.318 ; -17.552,76.648 -13.05,76.648 ; -17.475,62.473 -13.05,58.048 -13.15,58.048 ; -17.44,87.83 -17.44,92.857 ; -16.175,6.825 -16.175,15.975 -10.315,21.835 -6.81,21.835 ; -11.225,6.9 -7.62,6.9 ; -7.62,84.47 -7.62,92.857 -7.62,84.268 0,76.648 7.62,84.268 7.62,92.857 ; 0,77.825 0,92.857 ; 6.65,21.875 25.75,21.875 ; 7,21.835 25.79,21.835 31.95,15.675 ; 7.62,6.9 11.275,6.9 ; 13.05,76.648 17.552,76.648 ; 13.15,58.048 13.05,58.048 17.475,62.473 ; 16.225,6.525 16.153,6.597 16.153,10.789 21.2,15.835 ; 16.25,7.05 16.25,7.111 ; 17.44,87.965 17.44,92.857 ; 17.725,76.59 24.235,83.1 25.84,83.1 29.015,79.925 31.746,79.925 ; 24.95,87.6 25.06,87.71 25.06,92.857 ; 31.75,74.825 31.75,76.648 ; 32.68,87.83 32.68,92.857
  lines w1.8: -44.15,44.2 -43.875,43.925 -17.564,43.925 -13.05,39.411 ; -44,52.425 -44,58.975 -40.502,62.473 -17.475,62.473 -17.475,82.5 ; -32.911,38.25 -31.75,39.411 ; -32.674,82.375 -32.674,77.574 -31.75,76.65 -31.75,58.048 ; -31.95,24.175 -42.45,24.175 -44,25.725 -44,37.85 -33.311,37.85 -31.75,39.411 ; -31.75,43.75 -31.75,39.411 ; -31.75,62.35 -31.75,58.048 ; -31.75,76.648 -31.75,58.048 ; 13.05,39.411 17.564,43.925 43.875,43.925 44.15,44.2 ; 17.475,82.5 17.475,62.473 40.502,62.473 44,58.975 44,52.425 ; 31.75,43.75 31.75,39.411 ; 31.75,62.35 31.75,58.048 ; 31.75,76.648 31.75,58.048 ; 31.95,24.175 42.45,24.175 44,25.725 44,37.85 33.311,37.85 31.75,39.411 ; 32.717,82.425 32.717,77.717 31.75,76.75 31.75,58.048 ; 32.911,38.25 31.75,39.411
  lines w3.1: 0,6.9 0,77.825
Board:
  the board outline again, w0.02
Title:

## Text inside footprints (layer, text, board x,y; h text height)
C1: Top Assembly "+" at 32.05,41.261 h0.9 r180
C3: Top Assembly "+" at 13.35,41.261 h0.9 r180
C4: Top Assembly "+" at -23.95,41.261 h0.9 r180
C5: Top Assembly "+" at 13.35,78.498 h0.9 r180
C6: Top Assembly "+" at -5.25,41.261 h0.9 r180
C8: Top Assembly "+" at 13.35,59.898 h0.9 r180
C11: Top Assembly "+" at 32.05,59.898 h0.9 r180
C12: Top Assembly "+" at 32.05,78.498 h0.9 r180
C13: Top Assembly "+" at -5.25,78.498 h0.9 r180
C14: Top Assembly "+" at -23.95,78.498 h0.9 r180
C15: Top Assembly "+" at -5.25,59.898 h0.9 r180
C16: Top Assembly "+" at -23.95,59.898 h0.9 r180
K1: Top Assembly "NO" at 22.8,18.927 h0.8 r180; Top Assembly "NC" at 22.8,25.527 h0.8 r180; Top Assembly "COM" at 7.8,19.127 h0.8 r180
K2: Top Assembly "COM" at -7.8,24.544 h0.8; Top Assembly "NC" at -22.8,18.144 h0.8; Top Assembly "NO" at -22.8,24.744 h0.8